# Altium PCB Ixora.PcbDoc (part 1 of 13) (continued)
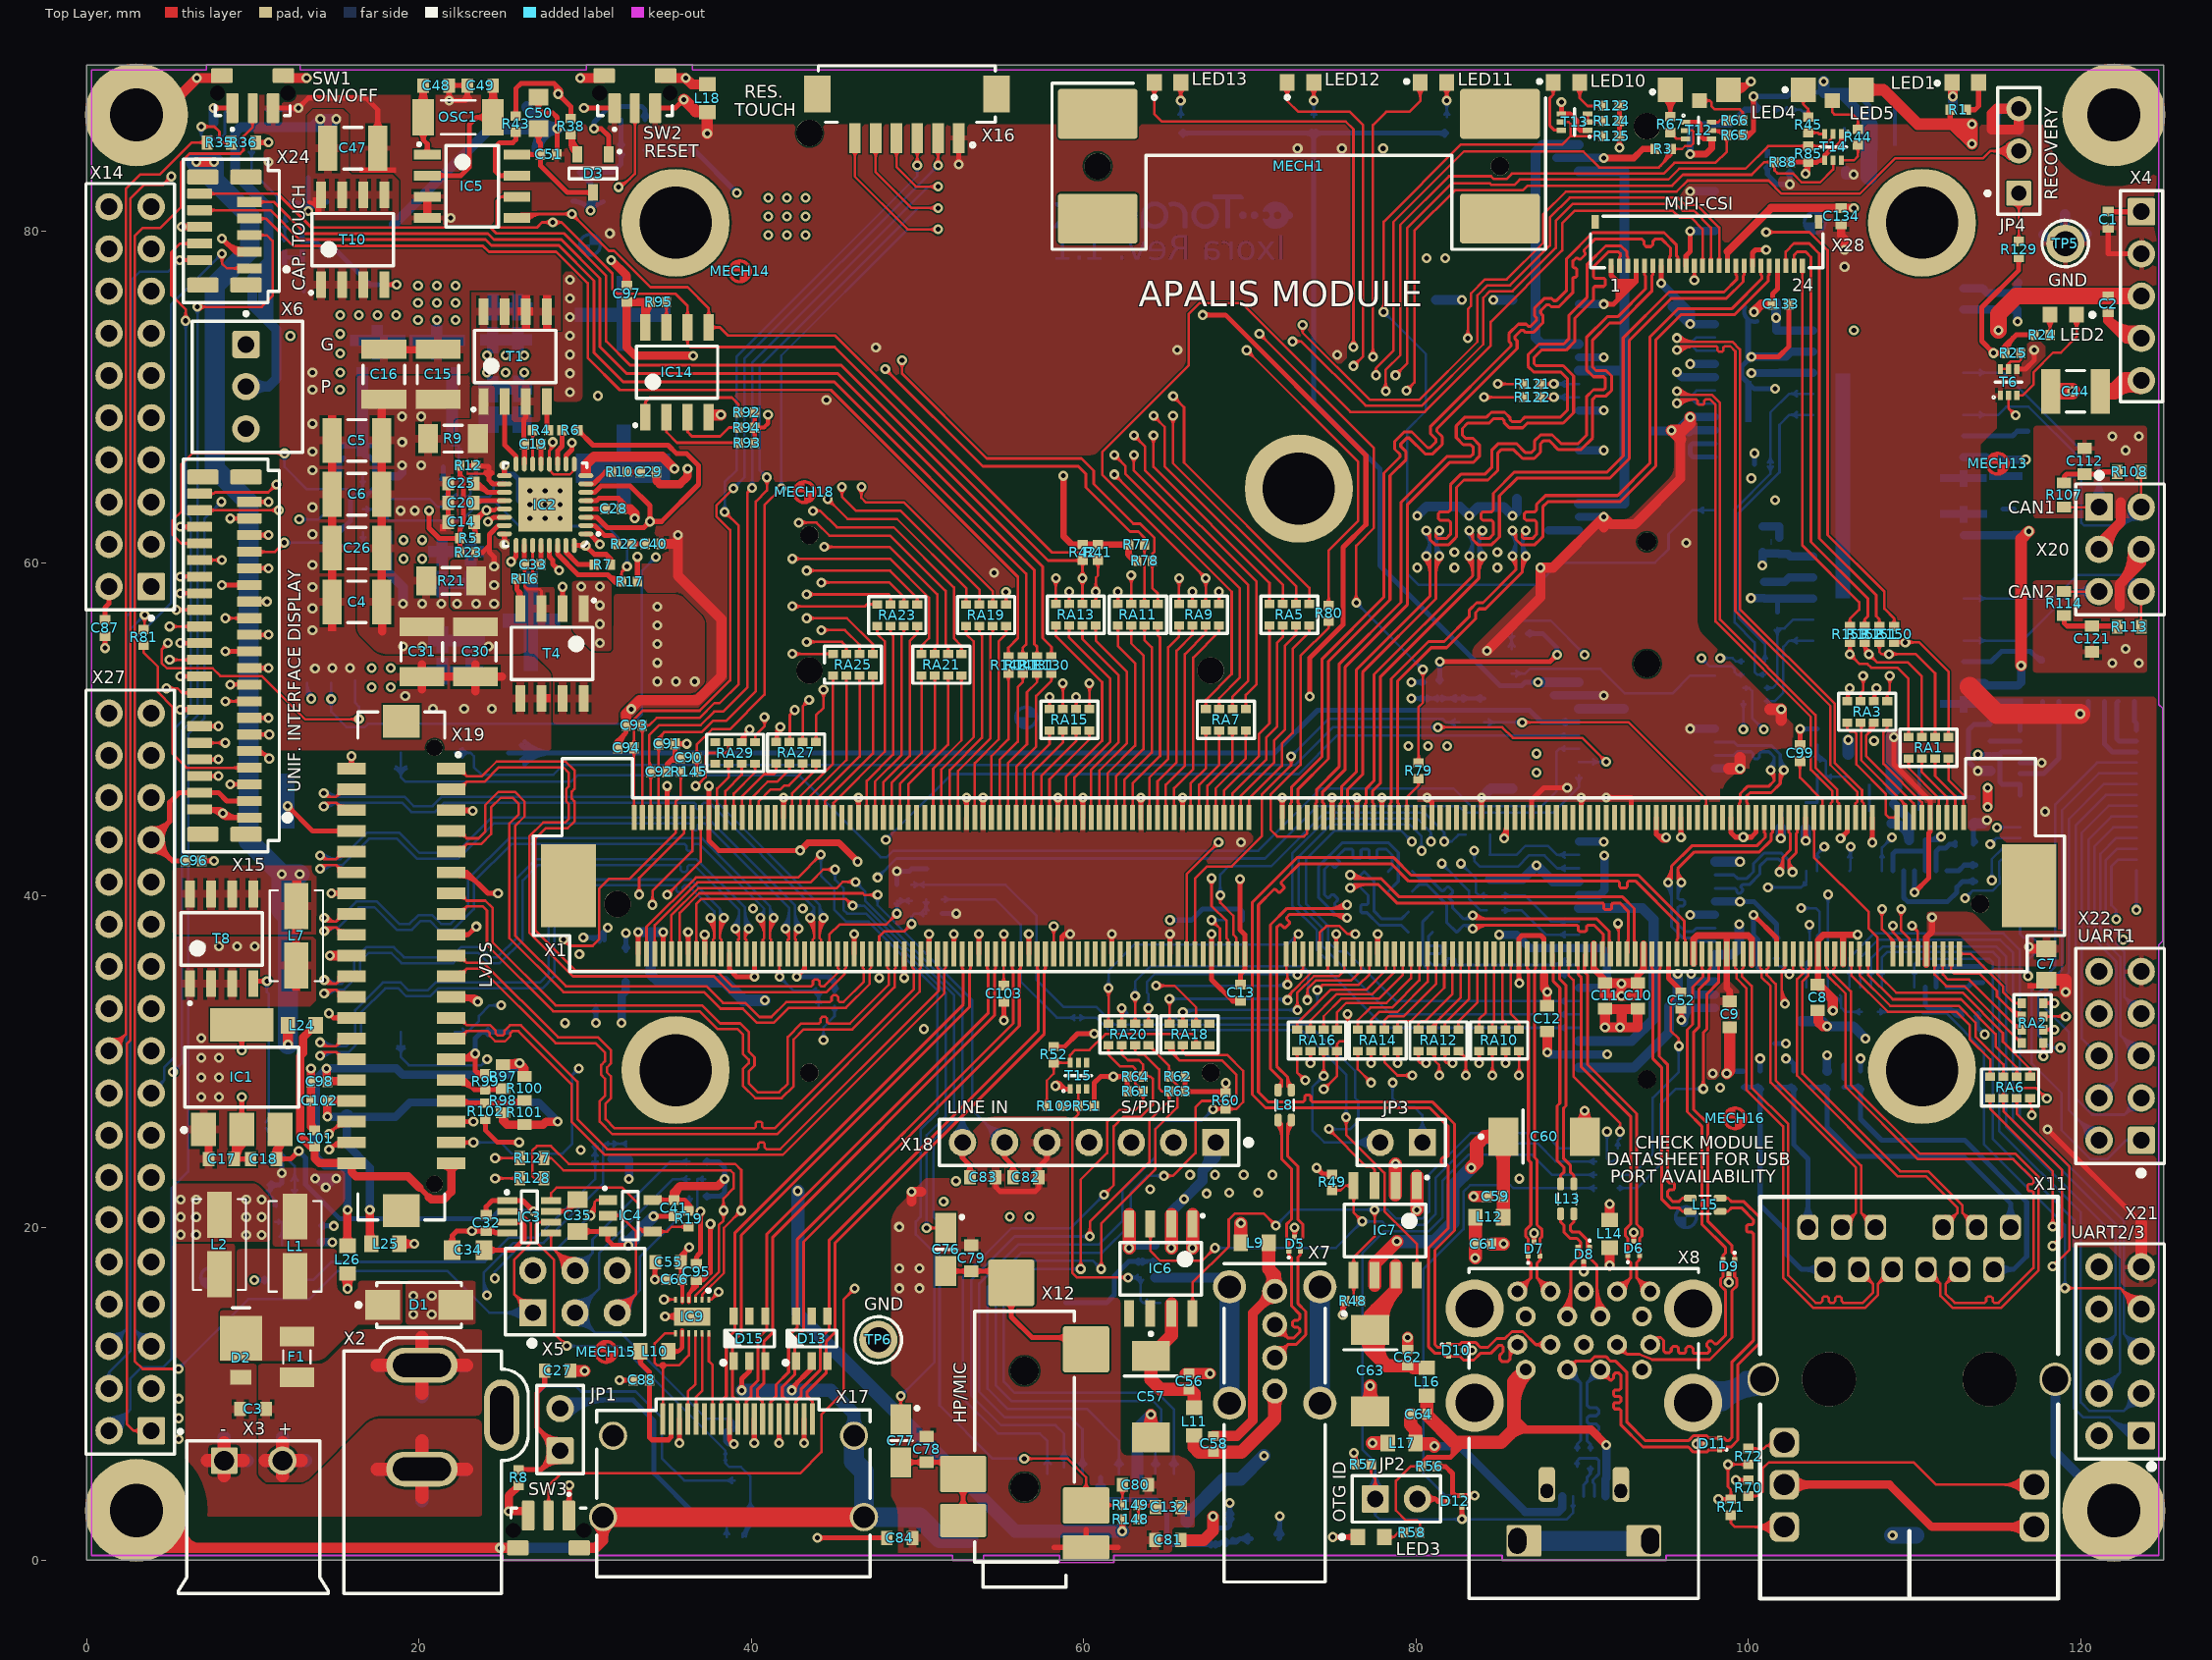
[diagram p0: Top Layer view]
## Components (designator, comment, footprint, x,y, rotation, side; value= is the part's Value field where it differs from the comment)
BAT1 "Keystone-3000" T_KEYSTONE_3000 21.5,83.55 r180 bottom locked
C1 "100nF" CAPC1005X60N 121.65,80.675 r90 top locked
C2 "100nF" CAPC1005X60N 121.65,75.59 r270 top
C3 "100nF" T_CAPC0603X33N 10.025,9.111 r0 top
C4 "10uF" CAPC3225X160N 16.275,57.68 r180 top locked
C5 "10uF" CAPC3225X160N 16.275,67.4 r180 top locked
C6 "10uF" CAPC3225X160N 16.275,64.16 r180 top locked
C7 "22uF" T_CAPC0805X125N 117.932,35.865 r270 top
C8 "4.7uF" T_CAPC0603X33N 104.175,33.875 r270 top
C9 "4.7uF" T_CAPC0603X33N 98.878,32.864 r270 top
C10 "4.7uF" T_CAPC0603X33N 93.344,33.976 r270 top
C11 "4.7uF" T_CAPC0603X33N 91.375,33.976 r270 top
C12 "4.7uF" T_CAPC0603X33N 87.898,32.605 r270 top
C13 "100nF" CAPC1005X60N 69.45,34.15 r90 top
C14 "10uF" T_CAPC0603X33N 22.55,62.5 r0 top
C15 "10uF" CAPC3225X160N 21.153,71.375 r90 top
C16 "10uF" CAPC3225X160N 17.9,71.374 r90 top
C17 "100nF" T_CAPC0603X33N 8.121,24.15 r180 top
C18 "10uF" T_CAPC0603X33N 10.65,24.15 r0 top
C19 "100nF" CAPC1005X60N 26.85,67.175 r0 top locked
C20 "1uF" T_CAPC0603X33N 22.538,63.65 r0 top locked
C21 "47uF" T_CAPC0805X125N 24.453,69.56 r270 bottom locked
C22 "47uF" T_CAPC0805X125N 24.454,74.42 r90 bottom locked
C23 "47uF" T_CAPC0805X125N 25.976,74.42 r90 bottom locked
C24 "47uF" T_CAPC0805X125N 25.975,69.56 r270 bottom locked
C25 "10uF" T_CAPC0603X33N 22.538,64.81 r0 top locked
C26 "10uF" CAPC3225X160N 16.275,60.92 r180 top locked
C27 "1uF" T_CAPC0603X33N 28.346,11.405 r180 top
C28 "1nF" CAPC1005X60N 31.705,63.275 r180 top locked
C29 "470pF" CAPC1005X60N 33.8,65.5 r180 top locked
C30 "10uF" CAPC3225X160N 23.4,54.682 r270 top
C31 "10uF" CAPC3225X160N 20.179,54.682 r270 top
C32 "100nF" CAPC1005X60N 24.05,20.3 r90 top locked
C33 "100nF" CAPC1005X60N 26.853,59.925 r0 top locked
C34 "330nF" T_CAPC0805X125N 22.962,18.669 r0 top
C35 "330nF" T_CAPC0805X125N 29.55,20.75 r90 top locked
C36 "47uF" T_CAPC0805X125N 23.136,54.417 r270 bottom
C37 "47uF" T_CAPC0805X125N 21.4,54.417 r270 bottom
C38 "47uF" T_CAPC0805X125N 23.136,59.75 r90 bottom
C39 "47uF" T_CAPC0805X125N 21.4,59.75 r90 bottom
C40 "680pF" CAPC1005X60N 34.105,61.167 r180 top locked
C41 "100nF" CAPC1005X60N 35.35,21.2 r270 top locked
C42 "10nF" CAPC1005X60N 21.95,65.795 r180 bottom
C43 "100nF" T_CAPC0603X33N 11.75,22.585 r180 bottom
C44 "10uF" CAPC3225X160N 119.683,70.35 r0 top locked
C45 "10nF" CAPC1005X60N 31.091,24.149 r180 bottom locked
C46 "10nF" CAPC1005X60N 12.979,78.9 r270 bottom
C47 "10uF" CAPC3225X160N 16.027,84.988 r180 top
C48 "27pF" T_CAPC0603X33N 21.041,88.76 r0 top
C49 "27pF" T_CAPC0603X33N 23.691,88.76 r180 top
C50 "22uF" T_CAPC0805X125N 27.203,87.107 r90 top
C51 "100nF" CAPC1005X60N 27.813,84.607 r180 top
C52 "1nF" CAPC1005X60N 95.946,33.7 r90 top
C53 "100pF" CAPC1005X60N 48.77,40.175 r270 bottom
C54 "100pF" CAPC1005X60N 51,38.92 r180 bottom locked
C55 "10uF" T_CAPC0603X33N 35,17.941 r0 top
C56 "100nF" CAPC1005X60N 66.345,10.77 r270 top
C57 "100uF" CAPMP6032X280N 64.05,9.85 r270 top locked
C58 "1nF" CAPC1005X60N 67.821,7 r270 top
C59 "100nF" CAPC1005X60N 84.76,21.9 r0 top locked
C60 "100uF" CAPMP6032X280N 87.7,25.5 r0 top
C61 "1nF" CAPC1005X60N 84.06,19.05 r180 top
C62 "100nF" CAPC1005X60N 79.5,12.2 r270 top
C63 "100uF" CAPMP6032X280N 77.25,11.424 r270 top locked
C64 "1nF" CAPC1005X60N 80.16,8.8 r0 top
C65 "100nF" CAPC1005X60N 14.1,19.65 r270 bottom
C66 "100nF" CAPC1005X60N 35.36,16.9 r180 top
C67 "100nF" CAPC1005X60N 67.798,1.45 r270 bottom locked
C68 "10uF" T_CAPC0603X33N 68.798,1.862 r270 bottom locked
C69 "1nF" CAPC1005X60N 101.691,36.875 r270 bottom
C70 "100nF" CAPC1005X60N 102.721,28.95 r270 bottom
C71 "100nF" CAPC1005X60N 100.707,28.95 r270 bottom
C72 "47uF" T_CAPMP3216X180N 101.876,32.45 r0 bottom locked
C73 "100nF" CAPC1005X60N 101.083,31.1 r180 bottom
C74 "100nF" CAPC1005X60N 106.75,28.95 r270 bottom
C75 "100nF" CAPC1005X60N 104.736,28.95 r270 bottom
C76 "47uF" T_CAPMP3216X180N 51.7,18.704 r270 top locked
C77 "47uF" T_CAPMP3216X180N 49,7.204 r270 top
C78 "15pF" T_CAPC0603X33N 50.55,6.679 r270 top
C79 "15pF" T_CAPC0603X33N 53.238,18.179 r270 top locked
C80 "15pF" T_CAPC0603X33N 63.11,4.547 r180 top
C81 "15pF" T_CAPC0603X33N 65.075,1.219 r180 top
C82 "15pF" T_CAPC0603X33N 56.525,23.05 r180 top
C83 "15pF" T_CAPC0603X33N 53.934,23.05 r180 top
C84 "15pF" T_CAPC0603X33N 48.931,1.35 r0 top
C85 "2.2uF" T_CAPC0603X33N 36.779,35.598 r270 bottom
C86 "2.2uF" T_CAPC0603X33N 31.425,33.35 r0 bottom
C87 "100nF" CAPC1005X60N 1.11,56.1 r90 top
C88 "100nF" CAPC1005X60N 33.393,10.842 r0 top
C89 "1nF" CAPC1005X60N 44.533,34.267 r180 bottom
C90 "1nF" CAPC1005X60N 36.234,48.3 r0 top locked
C91 "1nF" CAPC1005X60N 34.924,49.14 r180 top locked
C92 "1nF" CAPC1005X60N 34.447,47.45 r180 top locked
C93 "1nF" CAPC1005X60N 32.96,50.25 r0 top locked
C94 "1nF" CAPC1005X60N 32.46,48.9 r0 top locked
C95 "100nF" CAPC1005X60N 36.7,17.35 r270 top
C96 "100nF" CAPC1005X60N 6.45,42.1 r180 top
C97 "100nF" CAPC1005X60N 32.512,76.233 r270 top
C98 "100nF" CAPC1005X60N 14,28.8 r0 top locked
C99 "1nF" CAPC1005X60N 103.111,48.577 r270 top
C100 "100nF" CAPC1005X60N 80.514,52.355 r270 bottom
C101 "100nF" CAPC1005X60N 13.731,25.393 r270 top
C102 "100nF" CAPC1005X60N 14,27.65 r0 top locked
C103 "1nF" CAPC1005X60N 55.2,34.102 r90 top
C104 "10uF" T_CAPC0603X33N 101.676,76.479 r270 bottom
C105 "100nF" CAPC1005X60N 101.194,74.02 r0 bottom
C106 "100nF" CAPC1005X60N 114.958,75.78 r270 bottom locked
C107 "10uF" T_CAPC0603X33N 116.2,76.065 r270 bottom locked
C108 "10nF" CAPC1005X60N 101.875,71.945 r270 bottom locked
C109 "100nF" CAPC1005X60N 100.972,71.945 r270 bottom locked
C110 "10nF" CAPC1005X60N 114.958,65.75 r90 bottom locked
C111 "100nF" CAPC1005X60N 115.9,65.75 r90 bottom locked
C112 "47nF" T_CAPC0603X33N 120.245,66.146 r270 top
C113 "10uF" T_CAPC0603X33N 100.799,61.45 r270 bottom
C114 "100nF" CAPC1005X60N 101.85,61.075 r270 bottom
C115 "100nF" CAPC1005X60N 114.958,62.19 r270 bottom locked
C116 "10uF" T_CAPC0603X33N 116,62.5 r270 bottom locked
C117 "10nF" CAPC1005X60N 101.75,58.4 r270 bottom
C118 "100nF" CAPC1005X60N 100.95,58.4 r270 bottom
C119 "10nF" CAPC1005X60N 115,52.15 r90 bottom locked
C120 "100nF" CAPC1005X60N 115.85,52.15 r90 bottom locked
C121 "47nF" T_CAPC0603X33N 120.685,55.45 r90 top
C122 "100nF" CAPC1005X60N 110.167,43.35 r0 bottom locked
C123 "100nF" CAPC1005X60N 113.3,32.9 r0 bottom
C124 "100nF" CAPC1005X60N 113.096,43.1 r180 bottom locked
C125 "100nF" CAPC1005X60N 113.697,41.35 r90 bottom
C126 "100nF" CAPC1005X60N 114.1,35.25 r270 bottom locked
C127 "100nF" CAPC1005X60N 114.545,48.01 r90 bottom locked
C128 "100nF" CAPC1005X60N 120.95,51.7 r180 bottom locked
C129 "100nF" CAPC1005X60N 114.545,49.825 r270 bottom locked
C130 "100nF" CAPC1005X60N 122.75,51.7 r0 bottom locked
C131 "100nF" CAPC1005X60N 118.2,51.7 r180 bottom locked
C132 "4.7uF" T_CAPC0603X33N 65.1,3.213 r0 top
C133 "100nF" CAPC1005X60N 101.956,75.59 r180 top
C134 "100nF" CAPC1005X60N 105.588,80.892 r90 top
C138 "100nF" CAPC1005X60N 101.15,84.4 r90 bottom locked
C139 "10uF" T_CAPC0603X33N 112.304,86.54 r270 bottom locked
C140 "10uF" T_CAPC0603X33N 102.5,84.4 r90 bottom locked
C141 "10uF" T_CAPC0603X33N 81.197,76.625 r90 bottom locked
C142 "10uF" T_CAPC0603X33N 85.8,76.625 r90 bottom locked
C143 "100nF" CAPC1005X60N 101.95,44.6 r90 bottom
C144 "10uF" T_CAPC0603X33N 113.55,45.125 r90 bottom locked
C145 "10uF" T_CAPC0603X33N 103.455,44.831 r90 bottom
C146 "10uF" T_CAPC0603X33N 80.518,48.006 r0 bottom
C147 "10uF" T_CAPC0603X33N 85.8,47.225 r90 bottom locked
D1 "D-Littelfuse-SMAJ30CA-Schottky" T_LITTLEFUSE_SMAJ30CA 20.015,15.367 r0 top
D2 "SS3P3" T_VISHAY_SS3P3 9.3,12.569 r270 top
D3 "BAT54C" SOT95P230X110-3N 30.48,83.464 r270 top
D5 "TPD2EUSB30DRTR" T_TI_TPD2EUSB30DRTR 72.7,19.05 r90 top locked
D6 "TPD2EUSB30DRTR" T_TI_TPD2EUSB30DRTR 93.1,18.772 r90 top locked
D7 "TPD2EUSB30DRTR" T_TI_TPD2EUSB30DRTR 87.1,18.736 r90 top locked
D8 "TPD2EUSB30DRTR" T_TI_TPD2EUSB30DRTR 90.1,18.411 r270 top locked
D9 "TPD2EUSB30DRTR" T_TI_TPD2EUSB30DRTR 98.823,17.682 r270 top locked
D10 "TPD2EUSB30DRTR" T_TI_TPD2EUSB30DRTR 82.4,12.636 r0 top locked
D11 "TPD2EUSB30DRTR" T_TI_TPD2EUSB30DRTR 97.85,7.011 r180 top locked
D12 "TPD2EUSB30DRTR" T_TI_TPD2EUSB30DRTR 82.35,3.55 r180 top
D13 "RCLAMP0504S" T_SOT95P285X90-6N 43.648,13.35 r90 top
D14 "MM3Z15VT1G" T_SOD-323 10.975,25.078 r90 bottom
D15 "RCLAMP0504S" T_SOT95P285X90-6N 39.898,13.35 r90 top locked
D16 "MM3Z15VT1G" T_SOD-323 14.427,77.699 r90 bottom
F1 "7A" T_Littelfuse_0458 12.663,12.24 r90 top
IC1 "NCV4264-2ST50T3G" T_ON_NCV4264-2ST50T3G 9.346,29.074 r90 top locked
IC2 "TPS51120" QFN50P500X500X100-33N 27.6,63.525 r180 top locked
IC3 "LTC2954CTS8-2#PBF" T_LINEAR_LTC2954CTS8-2#PBF 26.645,20.67 r270 top locked
IC4 "NC7SZ126M5X" SOT95P279X142-5N 32.725,20.739 r0 top locked
IC5 "M41T0M6" SOIC127P600X173-8N 23.208,82.702 r0 top
IC6 "TPS2052BD" SOIC127P600X173-8N 64.65,17.55 r270 top locked
IC7 "TPS2066CD" SOIC127P600X173-8N 78.15,19.85 r270 top locked
IC8 "NCP511SN33T1G" SOT95P279X142-5N 33.804,35.748 r0 bottom locked
IC9 "IP4791CZ12" T_NXP_IP4791CZ12 36.45,14.675 r180 top locked
IC10 "ADM3053BRWZ" T_AD_ADM3053 108.423,70.845 r0 bottom locked
IC11 "ADM3053BRWZ" T_AD_ADM3053 108.428,57.255 r0 bottom locked
IC12 "SN65C3243DBR" SOP65P780X200-28N 107.718,38 r90 bottom
IC13 "SN65C3243DBR" SOP65P780X200-28N 119.85,45.729 r180 bottom locked
IC14 "CAT24C02WI-GT3" SOIC127P600X173-8N 35.535,71.501 r90 top
IC16 "IC-Semtech-SC4215A" SOIC127P650X175_HS-8N 107.275,86.4 r180 bottom locked
IC17 "IC-Semtech-SC4215A" SOIC127P650X175_HS-8N 108.762,46.535 r180 bottom locked
JP1 "TSW-101-07-G-D" T_Samtec_TSW-101-07-G-D#1 28.5,6.6 r0 top locked
JP2 "TSW-101-07-G-D" T_Samtec_TSW-101-07-G-D#2 77.55,3.7 r270 top locked
JP3 "TSW-101-07-G-D" T_Samtec_TSW-101-07-G-D#2 80.384,25.15 r90 top locked
JP4 "826936-3" T_TYCO_826936-3 116.271,82.277 r90 top locked
L1 "36R@100MHz" T_Laird_35F0121-0SR-10 12.55,18.9 r90 top
L2 "36R@100MHz" T_Laird_35F0121-0SR-10 8,19 r90 top
L3 "33R@100MHz" INDC1608X95N 109.682,2.35 r90 bottom
L4 "4.7uH" T_INDM110100 32.325,70.358 r0 bottom
L5 "8.2uH" T_INDM120120X80N 31.7,56.55 r270 bottom locked
L6 "36R@100MHz" T_Laird_35F0121-0SR-10 19.3,73.45 r180 bottom locked
L7 "36R@100MHz" T_Laird_35F0121-0SR-10 12.626,37.585 r90 top
L8 "90R@100MHz" T_Murata_DLW21SN900SQ2 72.1,27.4 r90 top locked
L9 "220R@100MHz" INDC1608X95N 70.3,19.1 r0 top
L10 "120R@100MHz" INDC1608X95N 34.175,12.58 r180 top
L11 "220R@100MHz" INDC1608X95N 66.65,8.35 r270 top locked
L12 "220R@100MHz" INDC1608X95N 84.41,20.65 r180 top
L13 "90R@100MHz" T_Murata_DLW21SN900SQ2 89.1,21.754 r270 top locked
L14 "220R@100MHz" INDC1608X95N 91.65,19.65 r270 top locked
L15 "90R@100MHz" T_Murata_DLW21SN900SQ2 97.4,21.4 r0 top locked
L16 "220R@100MHz" INDC1608X95N 80.65,10.75 r270 top
L17 "220R@100MHz" INDC1608X95N 79.139,7.058 r0 top
L18 "33R@100MHz" INDC1608X95N 37.35,87.99 r90 top
L19 "220R@100MHz" INDC1608X95N 70.918,1.3 r0 bottom locked
L20 "220R@100MHz" INDC1608X95N 100.576,34.85 r270 bottom locked
L21 "220R@100MHz" INDC1608X95N 30.824,36.421 r90 bottom
L24 "220R@100MHz" INDC1608X95N 12.954,32.194 r0 top
L25 "220R@100MHz" INDC1608X95N 17.988,19.05 r180 top locked
L26 "220R@100MHz" INDC1608X95N 15.7,18.1 r90 top locked
L27 "33R@100MHz" INDC1608X95N 83.6,77.4 r0 bottom locked
L28 "33R@100MHz" INDC1608X95N 83.6,48 r0 bottom locked
LED1 "APA1606CGCK" T_KINGBRIGHT_APA1606CGCK 113.055,88.95 r0 top
LED2 "LED" LEDC1608X80N_R 118.954,74.958 r180 top
LED3 "LED" LEDC1608X80N_G 77.3,1.4 r0 top locked
LED4 "LTST-S326KGJRKT" T_LITEON_LTST-S326KGJRKT 97.055,88.5 r0 top
LED5 "LTST-S326KGJRKT" T_LITEON_LTST-S326KGJRKT 105.055,88.5 r0 top
LED10 "APA1606CGCK" T_KINGBRIGHT_APA1606CGCK 89.055,88.95 r0 top
LED11 "APA1606CGCK" T_KINGBRIGHT_APA1606CGCK 81.055,88.95 r0 top
LED12 "APA1606CGCK" T_KINGBRIGHT_APA1606CGCK 73.055,88.95 r0 top
LED13 "APA1606CGCK" T_KINGBRIGHT_APA1606CGCK 65.055,88.95 r0 top
MECH1 "MECH-Mini-PCIe Latch" T_MOLEX_48099-5701 72.95,83.9 r0 top locked
MECH2 "MECH-Mini-PCIe Latch" T_MOLEX_48099-5701 67.65,41.45 r270 bottom locked
MECH9 "MECH-Fiducial" T_Fiducial 104,80.5 r270 bottom
MECH10 "MECH-Fiducial" T_Fiducial 30.302,79.172 r270 bottom
MECH11 "MECH-Fiducial" T_Fiducial 7.5,17 r270 bottom
MECH12 "MECH-Fiducial" T_Fiducial 96.25,20.65 r270 bottom
MECH13 "MECH-Fiducial" T_Fiducial 115,66 r90 top
MECH14 "MECH-Fiducial" T_Fiducial 39.319,77.572 r90 top
MECH15 "MECH-Fiducial" T_Fiducial 31.267,12.548 r90 top
MECH16 "MECH-Fiducial" T_Fiducial 99.2,26.6 r90 top
MECH17 "MECH-Fiducial" T_Fiducial 56.54,50.724 r270 bottom
MECH18 "MECH-Fiducial" T_Fiducial 43.205,64.287 r90 top
MECH19 "MECH-Toradex_Logo" T_TORADEX_LOGO 65.237,81 r180 bottom
OSC1 "CC4V-T1A" T_MC_CC4V-T1A 22.366,86.846 r180 top
R1 "560R" RESC1005X40N 112.623,87.3 r0 top
R2 "100K" RESC1005X40N 50.55,41.135 r270 bottom
R3 "100K" RESC1005X40N 94.869,84.938 r180 top
R4 "4.7R" RESC1005X40N 27.33,68.025 r0 top locked
R5 "4.7R" RESC1005X40N 22.95,61.5 r0 top
R6 "100K" RESC1005X40N 29.1,68.025 r0 top locked
R7 "0R" RESC1005X40N 31.05,59.925 r180 top locked
R8 "10K" RESC1005X40N 26.01,4.978 r90 top
R9 "12mR" RESC3316X76N 22.05,67.5 r180 top locked
R10 "24K" RESC1005X40N 32.05,65.5 r180 top locked
R11 "100K" RESC1005X40N 39,1.403 r180 bottom
R12 "3.3K" RESC1005X40N 22.95,65.875 r180 top
R13 "100K" RESC1005X40N 36.75,22.948 r180 bottom
R14 "0R" T_RESC0603X30N 15.45,52.8 r180 bottom
R15 "0R" T_RESC0603X30N 14,52.8 r0 bottom
R16 "4.7R" RESC1005X40N 26.37,59.075 r180 top locked
R17 "100K" RESC1005X40N 32.675,58.9 r0 top
R18 "10K" RESC1005X40N 36.75,23.991 r180 bottom
R19 "10K" RESC1005X40N 36.215,20.55 r270 top
R20 "100K" RESC1005X40N 36.75,21.906 r0 bottom
R21 "15mR" RESC3316X76N 21.95,58.95 r180 top
R22 "24K" RESC1005X40N 32.355,61.167 r180 top locked
R23 "3.6K" RESC1005X40N 22.95,60.65 r180 top locked
R24 "560R" RESC1005X40N 117.674,73.75 r0 top
R25 "100K" RESC1005X40N 115.92,72.655 r180 top locked
R26 "100K" RESC1005X40N 21.46,64.495 r270 bottom
R27 "100K" RESC1005X40N 22.44,64.495 r270 bottom
R28 "0R" T_RESC0603X30N 17.376,63.246 r0 bottom
R29 "0R" T_RESC0603X30N 15.926,63.246 r0 bottom
R30 "100K" RESC1005X40N 11.35,20.84 r90 bottom locked
R31 "100K" RESC1005X40N 12.225,20.84 r90 bottom locked
R32 "100K" RESC1005X40N 31.091,25.075 r180 bottom locked
R33 "470K" RESC1005X40N 11.913,78.9 r270 bottom
R34 "100K" RESC1005X40N 12.421,80.416 r0 bottom
R35 "0R" T_RESC0603X30N 7.998,85.329 r180 top locked
R36 "0R" T_RESC0603X30N 9.448,85.329 r180 top locked
R37 "100K" RESC1005X40N 7.65,86.055 r90 bottom
R38 "470R" RESC1005X40N 29.149,86.284 r90 top
R39 "10R" T_RESC0603X30N 32.893,84.861 r0 bottom
R40 "10R" T_RESC0603X30N 32.893,86.69 r0 bottom
R41 "1.8K" RESC1005X40N 60.869,60.655 r90 top
R42 "1.8K" RESC1005X40N 59.931,60.655 r90 top
R43 "100K" RESC1005X40N 25.832,86.436 r90 top
R44 "560R" RESC1005X40N 106.6,85.65 r270 top
R45 "560R" RESC1005X40N 103.6,86.387 r270 top
R46 "22R" RESC1005X40N 51,39.775 r0 bottom locked
R47 "22R" RESC1005X40N 49.65,40.175 r90 bottom
R48 "100K" RESC1005X40N 76.2,15.6 r0 top
R49 "100K" RESC1005X40N 74.95,22.75 r270 top
R50 "0R" T_RESC0603X30N 77.61,40.259 r0 bottom
R51 "100K" RESC1005X40N 60.163,27.335 r0 top locked
R52 "100K" RESC1005X40N 58.2,30.429 r90 top
R53 "0R" T_RESC0603X30N 83.718,43.665 r180 bottom
R54 "0R" RESC1005X40N 90.495,6.136 r90 bottom locked
R55 "0R" RESC1005X40N 89.7,6.136 r90 bottom locked
R56 "0R" RESC1005X40N 80.8,5.65 r180 top
R57 "100K" RESC1005X40N 76.822,5.77 r0 top
R58 "1K" RESC1005X40N 79.75,1.657 r180 top locked
R59 "100K" RESC1005X40N 59.621,32.18 r270 bottom
R60 "33K" RESC1005X40N 68.555,27.653 r90 top
R61 "68K" RESC1005X40N 63.097,28.219 r180 top
R62 "68K" RESC1005X40N 65.634,29.108 r0 top
R63 "68K" RESC1005X40N 65.634,28.219 r0 top
R64 "68K" RESC1005X40N 63.097,29.108 r180 top
R65 "100K" RESC1005X40N 99.187,85.776 r0 top
R66 "560R" RESC1005X40N 99.187,86.665 r0 top
R67 "560R" RESC1005X40N 95.3,86.408 r90 top
R68 "0R" T_RESC3225X30N 11.532,76.378 r180 bottom
R69 "0R" T_RESC0603X30N 77.61,41.453 r0 bottom
R70 "150R" RESC1005X40N 100,4.35 r270 top locked
R71 "150R" RESC1005X40N 98.95,3.2 r270 top locked
R72 "150R" RESC1005X40N 100,6.25 r90 top locked
R73 "0R" RESC1005X40N 101.714,28.955 r270 bottom
R74 "0R" RESC1005X40N 99.7,28.955 r270 bottom
R75 "0R" RESC1005X40N 105.743,28.955 r270 bottom
R76 "0R" RESC1005X40N 103.729,28.955 r270 bottom
R77 "1.8K" RESC1005X40N 63.184,61.135 r0 top
R78 "1.8K" RESC1005X40N 63.658,60.168 r0 top
R79 "22R" RESC1005X40N 80.162,47.51 r90 top
R80 "22R" RESC1005X40N 74.752,56.998 r90 top
R81 "0R" RESC1005X40N 3.45,55.55 r270 top
R82 "22R" RESC1005X40N 44.533,33.377 r0 bottom
R83 "0R" T_RESC0603X30N 15.926,61.874 r0 bottom
R84 "0R" T_RESC0603X30N 17.376,61.874 r0 bottom
R85 "100K" RESC1005X40N 103.6,84.63 r270 top
R86 "0R" T_RESC0603X30N 15.9,65.227 r0 bottom
R87 "0R" T_RESC0603X30N 17.35,65.227 r180 bottom
R88 "100K" RESC1005X40N 102.057,84.15 r0 top
R89 "100K" RESC1005X40N 81.425,52.355 r270 bottom
R90 "0R" T_RESC0603X30N 84.104,51.15 r270 bottom
R91 "0R" T_RESC0603X30N 82.6,51.15 r90 bottom
R92 "100K" RESC1005X40N 39.719,69.088 r0 top
R93 "100K" RESC1005X40N 39.726,67.259 r0 top
R94 "100K" RESC1005X40N 39.719,68.174 r0 top
R95 "100K" RESC1005X40N 34.413,75.717 r180 top
R96 "0R" T_RESC0603X30N 79.057,40.259 r180 bottom
R97 "0R" T_RESC0603X30N 25.05,29.1 r270 top locked
R98 "0R" T_RESC0603X30N 25.05,27.65 r90 top locked
R99 "100K" RESC1005X40N 24,28.8 r270 top locked
R100 "0R" T_RESC0603X30N 26.35,28.4 r270 top
R101 "0R" T_RESC0603X30N 26.35,26.95 r90 top
R102 "100K" RESC1005X40N 24,27.024 r90 top locked
R103 "0R" T_RESC0603X30N 79.057,41.453 r180 bottom
R104 "0R" RESC1005X40N 63.424,17.5 r270 bottom
R105 "10K" RESC1005X40N 100.85,65.95 r180 bottom
R106 "0R" RESC1005X40N 116.825,67.474 r90 bottom
R107 "56R" T_RESC0603X30N 119,64.105 r270 top
R108 "56R" T_RESC0603X30N 122.915,65.5 r0 top
R109 "0R" RESC1005X40N 58.268,27.335 r0 top
R110 "0R" RESC1005X40N 64.304,18.46 r270 bottom
R111 "10K" RESC1005X40N 101.75,56.59 r90 bottom
R112 "0R" RESC1005X40N 117.71,53.65 r90 bottom
R113 "56R" T_RESC0603X30N 122.915,56.182 r0 top
R114 "56R" T_RESC0603X30N 119,57.575 r90 top
R115 "0R" RESC1005X40N 107.307,33 r0 bottom
R116 "100K" RESC1005X40N 69.088,38.532 r0 bottom
R117 "0R" RESC1005X40N 64.304,17.5 r270 bottom
R118 "0R" T_RESC0603X30N 80.272,37.8 r0 bottom
R119 "0R" T_RESC0603X30N 80.272,39.019 r0 bottom
R120 "0R" T_RESC0603X30N 81.72,37.8 r180 bottom
R121 "0R" RESC1005X40N 86.992,70.8 r0 top
R122 "0R" RESC1005X40N 86.992,70 r0 top
R123 "560R" RESC1005X40N 91.768,87.528 r180 top
R124 "470K" RESC1005X40N 91.77,86.614 r180 top
R125 "100K" RESC1005X40N 91.77,85.7 r0 top
R126 "0R" T_RESC0603X30N 81.72,39.019 r180 bottom
R127 "0R" T_RESC0603X30N 26.797,24.205 r180 top
R128 "0R" T_RESC0603X30N 26.797,22.986 r180 top
R129 "1K" RESC1005X40N 116.271,78.892 r90 top
R130 "22R" RESC1005X40N 58.064,53.873 r270 top
R131 "22R" RESC1005X40N 57.198,53.873 r270 top
R132 "40.2K" RESC1005X40N 102.5,86.821 r270 bottom
R133 "20K" RESC1005X40N 101.016,87.301 r0 bottom
R134 "47K" T_RESC0603X30N 84.45,41.725 r270 bottom
R135 "0R" RESC1005X40N 84.726,40.012 r0 bottom locked
R136 "0R" RESC1005X40N 84.726,39.112 r0 bottom
R137 "0R" T_RESC0603X30N 85.75,54.1 r270 bottom
R138 "560R" RESC1005X40N 73.85,86.369 r90 bottom
R139 "560R" RESC1005X40N 81.855,86.369 r90 bottom
R140 "560R" RESC1005X40N 65.85,86.369 r90 bottom
R141 "22R" RESC1005X40N 56.337,53.873 r270 top
R142 "22R" RESC1005X40N 55.474,53.873 r270 top
R143 "40.2K" RESC1005X40N 104.15,47.75 r270 bottom locked
R144 "20K" RESC1005X40N 104.15,49.55 r270 bottom locked
R145 "0R" RESC1005X40N 36.244,47.45 r0 top locked
R146 "100K" RESC1005X40N 86.226,55.778 r0 bottom
R147 "100K" RESC1005X40N 32.644,24.595 r90 bottom
R148 "100R" RESC1005X40N 62.814,2.464 r180 top
R149 "2.2K" RESC1005X40N 62.814,3.327 r0 top
R150 "0R" RESC1005X40N 108.776,55.725 r270 top
R151 "0R" RESC1005X40N 107.887,55.725 r270 top
R152 "0R" RESC1005X40N 106.998,55.725 r270 top
R153 "0R" RESC1005X40N 106.109,55.725 r270 top
RA1 "22R" T_Resistor_Array_X4 109.639,48.255 r90 top
RA2 "22R" T_Resistor_Array_X4 117.757,31.133 r180 top
RA3 "22R" T_Resistor_Array_X4 105.956,50.419 r90 top
RA4 "22R" T_Resistor_Array_X4 99.7,51.7 r0 bottom
RA5 "22R" T_Resistor_Array_X4 71.184,56.256 r90 top
RA6 "22R" T_Resistor_Array_X4 116.952,29.101 r270 top
RA7 "22R" T_Resistor_Array_X4 67.361,49.932 r90 top
RA8 "22R" T_Resistor_Array_X4 92.15,24.8 r180 bottom
RA9 "22R" T_Resistor_Array_X4 65.748,56.256 r90 top
RA10 "22R" T_Resistor_Array_X4 86.2,31.934 r270 top
RA11 "22R" T_Resistor_Array_X4 62.065,56.256 r90 top
RA12 "22R" T_Resistor_Array_X4 82.55,31.934 r270 top
RA13 "22R" T_Resistor_Array_X4 58.331,56.256 r90 top
RA14 "22R" T_Resistor_Array_X4 78.9,31.934 r270 top
RA15 "22R" T_Resistor_Array_X4 57.95,49.932 r90 top
RA16 "22R" T_Resistor_Array_X4 75.25,31.934 r270 top
RA18 "22R" T_Resistor_Array_X4 67.57,32.302 r270 top
RA19 "22R" T_Resistor_Array_X4 52.934,56.236 r90 top
RA20 "22R" T_Resistor_Array_X4 63.902,32.3 r270 top
RA21 "22R" T_Resistor_Array_X4 50.247,53.255 r90 top
RA23 "22R" T_Resistor_Array_X4 47.587,56.236 r90 top
RA25 "22R" T_Resistor_Array_X4 44.923,53.255 r90 top locked
RA27 "22R" T_Resistor_Array_X4 41.5,47.95 r90 top
RA29 "22R" T_Resistor_Array_X4 37.835,47.94 r90 top
SW1 "TL3340AF160QG" "T_E-SWITCH- TL3340AF160QG" 10,88.3 r180 top locked
SW2 "TL3340AF160QG" "T_E-SWITCH- TL3340AF160QG" 33,88.3 r180 top locked
SW3 "TL3340AF160QG" "T_E-SWITCH- TL3340AF160QG" 27.803,1.8 r0 top locked
T1 "FDS6982AS" SOIC127P600X173-8N 25.805,72.45 r90 top locked
T2 "IRLML6401PbF" SOT95P237X112-3N#1 39,3.753 r90 bottom
T3 "T-Vishay-SI-1024X-N" SOTFL50P160X60-6N 38.95,7.003 r270 bottom locked
T4 "FDS6982AS" SOIC127P600X173-8N 28.015,54.579 r270 top
T5 "DMP2022LSS-13" SOIC127P600X173-8N 19.32,69 r180 bottom locked
T6 "T-Vishay-SI-1024X-N" SOTFL50P160X60-6N 115.658,70.905 r90 top locked
T7 "T-Vishay-SI-1024X-N" SOTFL50P160X60-6N 24.46,64.872 r180 bottom locked
T8 "DMP4015SSS-13" SOIC127P600X173-8N 8.124,37.4 r90 top locked
T9 "BSS138-7-F" SOT95P237X112-3N#1 11.775,17.92 r90 bottom locked
T10 "DMP4015SSS-13" SOIC127P600X173-8N 16.027,79.477 r90 top
T11 "BSS138-7-F" SOT95P237X112-3N#2 9.931,86.258 r270 bottom
T12 "T-Vishay-SI-1024X-N" SOTFL50P160X60-6N 97.003,86.055 r0 top
T13 "T-Vishay-SI-1024X-N" SOTFL50P160X60-6N 89.535,86.563 r180 top
T14 "T-Vishay-SI-1024X-N" SOTFL50P160X60-6N 105.1,85.05 r270 top locked
T15 "T-Vishay-SI-1024X-N" SOTFL50P160X60-6N 59.683,29.159 r90 top locked
TP5 "5011" "T_TP-THT - EYE" 119.075,79.248 r0 top
TP6 "5011" "T_TP-THT - EYE" 47.65,13.269 r0 top
X1 "CON-JAE-MM70-314-310B1-314-0.5mm" T_JAE_MM70-314-310B1 72.95,40.6 r180 top locked
X2 "RAPC722X" T_RAPC722X 20.185,-2 r0 top locked
X3 "284512-2" T_TYCO_284512-2 5.538,-2 r0 top locked
X4 "826936-5" T_TYCO_826936-5 123.65,81.16 r270 top locked
X5 "TSW-103-01-G-D" T_Samtec_SSW-103-01-G-D 26.86,14.9 r0 top locked
X6 "22-11-2032" T_MOLEX_22-11-2032 9.6,73.18 r270 top locked
X7 "CON-Fci-73725-0110BLF" T_FCI_73725-0110BLF 71.5,-1.3 r0 top locked
X8 "GSB311231HR" "T_AMPHENOL_ GSB311231HR" 90.1,-2.3 r0 top locked
X9 "CON-Molex-47589-0001-5-0.65" T_MOLEX_47589-0001 90.1,1.175 r90 bottom locked
X10 "MicroSD Holder" T_Wurth_693071010811 66.67,15.9 r0 bottom locked
X11 "L829-1J1T-43" T_BEL_L829-1J1T-43 118.47,-2.3 r180 top locked
X12 "SJ-43516-SMT" T_CI_SJ-43516-SMT 56.45,-0.3 r90 top locked
X14 "TSW-110-07-G-D" T_Samtec_TSW-110-07-G-D-Header 3.9,58.6 r90 top locked
X15 "FH12-40S-0.5SV(55)" T_Hirose_FH12-40S-0.5SV(55) 8.3,54.45 r90 top locked
X16 "DF13C-6P-1.25V(51)" T_HIROSE_DF13C-6P-1.25V(51) 49.365,86.923 r180 top
X17 "10029449-111RLF" T_FCI_10029449-111RLF 38.933,-1 r0 top locked
X18 "TSW-107-07-G-S" T_samtech_TSW-107-07-G-S 67.95,25.15 r180 top locked
X19 "CON-Hirose-DF13A-40DP-1.25v(55)-2x10-1mm" T_HIROSE_DF13A-40DP-1.25V(55) 18.95,35.775 r270 top locked
X20 "TSW-103-07-G-D" T_Samtec_TSW-103-07-G-D 121.1,63.38 r270 top locked
X21 "TSW-105-07-G-D" T_Samtec_TSW-105-07-G-D#1 123.64,7.5 r90 top locked
X22 "TSW-105-07-G-D" T_Samtec_TSW-105-07-G-D#2 123.64,25.28 r90 top locked
X23 "67910-5700" T_MOLEX_67910-5700 93.9,86.3 r270 bottom locked
X24 "FH12-10S-0.5SVA(54)" T_Hirose_FH12-10S-0.5SVA(54) 8.3,80 r90 top locked
X25 "67910-5700" T_MOLEX_67910-5700 93.9,53.95 r270 bottom locked
X26 "47023-0001" T_MOLEX_47023-0001 22.16,40.2 r270 bottom locked
X27 "TSW-118-07-G-D" T_SAMTEC_TSW-118-07-G-D 3.9,7.8 r90 top locked
X28 "687124182122" "T_Wurth_687124182122 (Mirrored)" 97.5,78 r180 top locked

## Footprints (in the part's own frame and the unit in brackets; to place one, negate y for a bottom-side part, rotate by r counter-clockwise, add the part's x,y. Pads: shape width x height; smd on the part's side, far side on the other; paste and mask are expansions set on the pad)
CAPC1005X60N [mm]
  rect 0.58x0.66 smd: 1(-0.49,0) 2(0.49,0)
  body extent -0.55,-0.3 0.55,0.3, height 0.5
CAPC3225X160N [mm]
  rect 1.15x2.7 smd: 1(-1.5,0) 2(1.5,0)
  silkscreen extent -0.55,-1.25 0.55,1.25, body extent -1.7,-1.35 1.7,1.35, height 1.9
CAPMP6032X280N [mm] "Cap Polarized 6032"
  rect 1.8x2.3 smd: 1(-2.45,0) 2(2.45,0)
  silkscreen extent -3.86,-1.6 -1.25,1.6, body extent -3.15,-1.75 3.15,1.75, height 2.8
INDC1608X95N [mm]
  rect 0.87x1 smd: 1(-0.84,0) 2(0.84,0)
  body extent -0.87,-0.48 0.87,0.48, height 0.6
LEDC1608X80N_G [mm] "SMD LED GREEN"
  rect 0.9x0.95 smd: 1(-0.8,0) 2(0.8,0)
  silkscreen extent -1.87,-0.12 -1.62,0.12, body extent -0.9,-0.45 0.9,0.45, height 0.8
LEDC1608X80N_R [mm] "SMD LED RED"
  rect 0.9x0.95 smd: 1(-0.8,0) 2(0.8,0)
  silkscreen extent -1.88,-0.12 -1.63,0.12, body extent -0.9,-0.45 0.9,0.45, height 0.8
QFN50P500X500X100-33N [mm]
  oval 0.9x0.3 smd: 1(-2.45,1.75) 2(-2.45,1.25) 3(-2.45,0.75) 4(-2.45,0.25) 5(-2.45,-0.25) 6(-2.45,-0.75) 7(-2.45,-1.25) 8(-2.45,-1.75) 17(2.45,-1.75) 18(2.45,-1.25) 19(2.45,-0.75) 20(2.45,-0.25) 21(2.45,0.25) 22(2.45,0.75) 23(2.45,1.25) 24(2.45,1.75)
  oval 0.3x0.9 smd: 9(-1.75,-2.45) 10(-1.25,-2.45) 11(-0.75,-2.45) 12(-0.25,-2.45) 13(0.25,-2.45) 14(0.75,-2.45) 15(1.25,-2.45) 16(1.75,-2.45) 25(1.75,2.45) 26(1.25,2.45) 27(0.75,2.45) 28(0.25,2.45) 29(-0.25,2.45) 30(-0.75,2.45) 31(-1.25,2.45) 32(-1.75,2.45)
  rect 3.25x3.25 smd paste-0.595: 33(0,0)
  silkscreen extent -3.25,-2.5 2.5,2.5, body extent -2.58,-2.58 2.58,2.58, height 1
RESC1005X40N [mm]
  rect 0.57x0.62 smd: 1(-0.48,0) 2(0.48,0)
  body extent -0.53,-0.28 0.53,0.28, height 0.35
RESC3316X76N [mm]
  rect 1.2x1.75 smd: 1(-1.5,0) 2(1.5,0)
  silkscreen extent -0.55,-0.8 0.55,0.8, body extent -1.73,-0.86 1.73,0.86, height 0.6
SOIC127P600X173-8N [mm]
  rect 1.6x0.6 smd: 1(-2.7,1.905) 2(-2.7,0.635) 3(-2.7,-0.635) 4(-2.7,-1.905) 5(2.7,-1.905) 6(2.7,-0.635) 7(2.7,0.635) 8(2.7,1.905)
  silkscreen extent -3.29,-2.45 1.58,2.61, body extent -2,-2.47 2,2.47, height 1.75
SOIC127P650X175_HS-8N [mm] "SOIC, 8-Leads, Body 5.0x4.0mm (max), Pitch 1.27mm, IPC Medium Density"
  oval 2.3x0.6 smd: 1(-2.75,1.905) 2(-2.75,0.635) 3(-2.75,-0.635) 4(-2.75,-1.905) 5(2.75,-1.905) 6(2.75,-0.635) 7(2.75,0.635) 8(2.75,1.905)
  rrect50% 2.6x5 smd paste-0.5: 9(0,0)
  silkscreen extent -2.88,2.63 -2.63,2.88, body extent -2,-2.5 2,2.5, height 1.75
SOP65P780X200-28N [mm]
  rect 1.85x0.45 smd: 1(-3.5,4.225) 2(-3.5,3.575) 3(-3.5,2.925) 4(-3.5,2.275) 5(-3.5,1.625) 6(-3.5,0.975) 7(-3.5,0.325) 8(-3.5,-0.325) 9(-3.5,-0.975) 10(-3.5,-1.625) 11(-3.5,-2.275) 12(-3.5,-2.925) 13(-3.5,-3.575) 14(-3.5,-4.225) 15(3.5,-4.225) 16(3.5,-3.575) 17(3.5,-2.925) 18(3.5,-2.275) 19(3.5,-1.625) 20(3.5,-0.975) 21(3.5,-0.325) 22(3.5,0.325) 23(3.5,0.975) 24(3.5,1.625) 25(3.5,2.275) 26(3.5,2.925) 27(3.5,3.575) 28(3.5,4.225)
  silkscreen extent -4.27,-5.1 2.16,5.1, body extent -2.8,-5.25 2.8,5.25, height 2
SOT95P230X110-3N [mm]
  rect 1x0.6 smd: 1(-1.15,0.95) 2(-1.15,-0.95) 3(1.15,0)
  silkscreen extent -1.4,-1.45 0.33,1.67, body extent -0.7,-1.5 0.7,1.5, height 1.12
SOT95P237X112-3N#1 [mm] "SOT23, 3-Leads, Body 3.0x2.6mm (max), Pitch 0.95mm, IPC Medium Density"
  rect 1.3x0.6 smd: 1(-1.05,0.95) 2(-1.05,-0.95) 3(1.05,0)
  silkscreen extent -1.02,-1.5 0.7,1.93, body extent -0.7,-1.52 0.7,1.52, height 1.12
SOT95P237X112-3N#2 [mm] "SOT23, 3-Leads, Body 3.0x2.6mm (max), Pitch 0.95mm, IPC Medium Density"
  rect 1.2x0.6 smd: 1(-1.05,0.95) 2(-1.05,-0.95) 3(1.05,0)
  silkscreen extent -1.02,-1.5 0.7,1.92, body extent -0.7,-1.52 0.7,1.52, height 1.12
SOT95P279X142-5N [mm]
  rect 1.1x0.6 smd: 1(-1.35,0.95) 2(-1.35,0) 3(-1.35,-0.95) 4(1.35,-0.95) 5(1.35,0.95)
  silkscreen extent -1.61,-1.45 0.47,1.73, body extent -0.9,-1.52 0.9,1.52, height 1.1
SOTFL50P160X60-6N [mm]
  rect 0.57x0.3 smd: 1(-0.79,0.5) 2(-0.79,0) 3(-0.79,-0.5) 4(0.79,-0.5) 5(0.79,0) 6(0.79,0.5)
  silkscreen extent -0.99,-0.8 0,0.97, body extent -0.65,-0.85 0.65,0.85, height 0.6
T_AD_ADM3053 [mil] "Signal and Power Isolated CAN Transceiver  with Integrated Isolated DC-to-DC Converter"
  rect 90.5x22 smd: 1(-178.25,225) 2(-178.25,175) 3(-178.25,125) 4(-178.25,75) 5(-178.25,25) 6(-178.25,-25) 7(-178.25,-75) 8(-178.25,-125) 9(-178.25,-175) 10(-178.25,-225) 11(178.25,-225) 12(178.25,-175) 13(178.25,-125) 14(178.25,-75) 15(178.25,-25) 16(178.25,25) 17(178.25,75) 18(178.25,125) 19(178.25,175) 20(178.25,225)
  silkscreen extent -183,-262 121,262, body extent -150,-256 150,256, height 104
"T_AMPHENOL_ GSB311231HR" [mm] "USB 3.0 double row, Type A"
  round 1.2 hole 0.7: L1(-3.5,13.78) L2(-1,13.78) L3(1,13.78) L4(3.5,13.78) L5(4,15.28) L6(2,15.28) L7(0,15.28) L8(-2,15.28) L9(-4,15.28) U1(-3.5,16.98) U2(-1,16.98) U3(1,16.98) U4(3.5,16.98) U5(4,18.48) U6(2,18.48) U7(0,18.48) U8(-2,18.48) U9(-4,18.48)
  round 3.5 hole 2.3: S1(-6.57,11.78) S2(-6.57,17.46) S3(6.57,17.46) S4(6.57,11.78)
  silkscreen extent -6.9,0 6.9,19.85, body extent -7.79,0 7.79,19.7, height 16.13
T_BEL_L829-1J1T-43 [mil] "LOW PROFILE GIGABIT ETHERNET JACK WITH MAGS"
  rrect50% 50x60 hole 38: 1(146,-779.68) 2(226,-779.68) 3(306,-779.68) 4(386,-779.68) 5(466,-779.68) 6(546,-779.68) 7(106,-879.68) 8(186,-879.68) 9(266,-879.68) 10(426,-879.68) 11(506,-879.68) 12(586,-879.68)
  rrect50% 70x70 hole 50: 13(50,-269.68) 14(50,-169.68) 15(642,-369.68) 16(642,-269.68) 17(642,-169.68)
  oval 74x80 hole 62: S1(0,-519.68) S2(692,-519.68)
  round 128 hole 128 unplated: X(156,-519.68) X(536,-519.68)
  silkscreen extent -7,-952 699,0, body extent -55,-947 747,20, height 494
T_CAPC0603X33N [mm]
  rect 0.7x0.85 smd: 1(-0.775,0) 2(0.775,0)
  body extent -0.8,-0.4 0.8,0.4, height 0.9
T_CAPC0805X125N [mm]
  rect 1x1.2 smd: 1(-0.95,0) 2(0.95,0)
  body extent -1,-0.63 1,0.63, height 1.4
T_CAPMP3216X180N [mm]
  rect 1.8x1.25 smd: 1(-1.3,0) 2(1.3,0)
  silkscreen extent -2,-0.7 0,1.02, body extent -1.6,-0.8 1.6,0.8, height 1.6
T_CI_SJ-43516-SMT [mm] "STEREO_3.5mm AUDIO JACK  CUI"
  rrect12% 1.45x2.8 smd: 1(1.08,-3.7)
  rrect12% 2.8x2.8 smd: 2(13,-3.7) 5(17,0.8)
  rrect12% 2.2x2.8 smd: 3(5.5,3.7) 4(3.6,-3.7)
  rrect12% 2x2.8 smd: 6(2.7,3.7)
  round 1.7 hole 1.7 unplated: X(4.7,0) X(11.7,0)
  silkscreen extent -1.3,-3 15.3,3, body extent -1.5,-4.5 17.7,4.5, height 5.12
"T_E-SWITCH- TL3340AF160QG" [mm] "SWITCH TACT SUB MINI 160GF SMD"
  rrect20% 0.75x1.8 smd: 1(1.225,0.9) 3(-1.225,0.9)
  rrect20% 0.6x1.8 smd: 2(0,0.9)
  round 0 hole 0.9: 10(2.125,0) 11(-2.125,0)
  rrect20% 1.3x0.9 smd: SH1(-1.85,-1.05) SH2(1.85,-1.05)
  silkscreen extent -2.25,0.75 2.25,2.22, body extent -2.25,-2.05 2.25,1.35, height 3.3
T_FCI_73725-0110BLF [mm] "USB Type A Connector Vertical"
  round 1.5 hole 0.95: 1(0,11.49) 2(0,13.49) 3(0,15.49) 4(0,17.49)
  round 2 hole 1.37: S1(2.72,10.76) S2(2.72,17.76) S3(-2.72,17.76) S4(-2.72,10.76)
  silkscreen extent -3.05,0 3.05,19.15, body extent -3.54,-0.76 3.58,18.5, height 14.57
T_FCI_10029449-111RLF [mm] "CON RECPT HDMI THT R/A W/O FLNG"
  rect 0.3x1.9 smd: 1(4.75,9.5) 2(4.25,9.5) 3(3.75,9.5) 4(3.25,9.5) 5(2.75,9.5) 6(2.25,9.5) 7(1.75,9.5) 8(1.25,9.5) 9(0.75,9.5) 10(0.25,9.5) 11(-0.25,9.5) 12(-0.75,9.5) 13(-1.25,9.5) 14(-1.75,9.5) 15(-2.25,9.5) 16(-2.75,9.5) 17(-3.25,9.5) 18(-3.75,9.5) 19(-4.25,9.5)
  round 1.7 hole 1.3: S1(-7.85,3.6) S2(7.85,3.6) S3(7.25,8.5) S4(-7.25,8.5)
  silkscreen extent -8.22,0 8.23,10.72, body extent -8.1,0 8.1,9.85, height 6.17
T_Fiducial [mm] "Fiducial"
  Top Layer region: 0.625,0 0,0 0,0.625 0.375,0.5 0.625,0.25
  Top Layer region: 0,-0.625 -0.375,-0.5 -0.625,-0.25 -0.625,0 0,0
  Top Layer lines w0.203: 0,0.625 ccw(c0,0) 0,-0.625 ccw(c0,0) 0,0.625
T_HIROSE_DF13A-40DP-1.25V(55) [mm]
  rect 0.7x1.7 smd: 1(-11.875,3) 2(-11.875,-3) 3(-10.625,3) 4(-10.625,-3) 5(-9.375,3) 6(-9.375,-3) 7(-8.125,3) 8(-8.125,-3) 9(-6.875,3) 10(-6.875,-3) 11(-5.625,3) 12(-5.625,-3) 13(-4.375,3) 14(-4.375,-3) 15(-3.125,3) 16(-3.125,-3) 17(-1.875,3) 18(-1.875,-3) 19(-0.625,3) 20(-0.625,-3) 21(0.625,3) 22(0.625,-3) 23(1.875,3) 24(1.875,-3) 25(3.125,3) 26(3.125,-3) 27(4.375,3) 28(4.375,-3) 29(5.625,3) 30(5.625,-3) 31(6.875,3) 32(6.875,-3) 33(8.125,3) 34(8.125,-3) 35(9.375,3) 36(9.375,-3) 37(10.625,3) 38(10.625,-3) 39(11.875,3) 40(11.875,-3)
  rect 2x2.2 smd: ""(-14.725,0) ""(14.725,0)
  round 1 hole 1 unplated paste+0 mask+0: ""(-13.125,2) ""(13.125,2)
  Top Layer pour cut-out: -12.4,-2.15 12.375,-2.15 12.375,2.15 -12.4,2.15
  silkscreen extent -15.29,-2.62 15.29,3.55, body extent -15.42,-3.45 15.43,3.45, height 4.82
T_HIROSE_DF13C-6P-1.25V(51) [mm] "Touch connector"
  rect 0.7x1.8 smd: 1(-3.125,1.325) 2(-1.875,1.325) 3(-0.625,1.325) 4(0.625,1.325) 5(1.875,1.325) 6(3.125,1.325)
  rect 1.6x2.2 smd: ""(-5.385,-1.324) ""(5.385,-1.324)
  Top Layer pour cut-out: -3.475,0.425 -3.475,-1.994 3.475,-1.994 3.475,0.425
  silkscreen extent -5.33,-3.02 5.33,1.87, body extent -6.07,-3.02 6.08,1.88, height 4.82